# Altium PCB PCB5.PcbDoc (part 8 of 16) (continued)
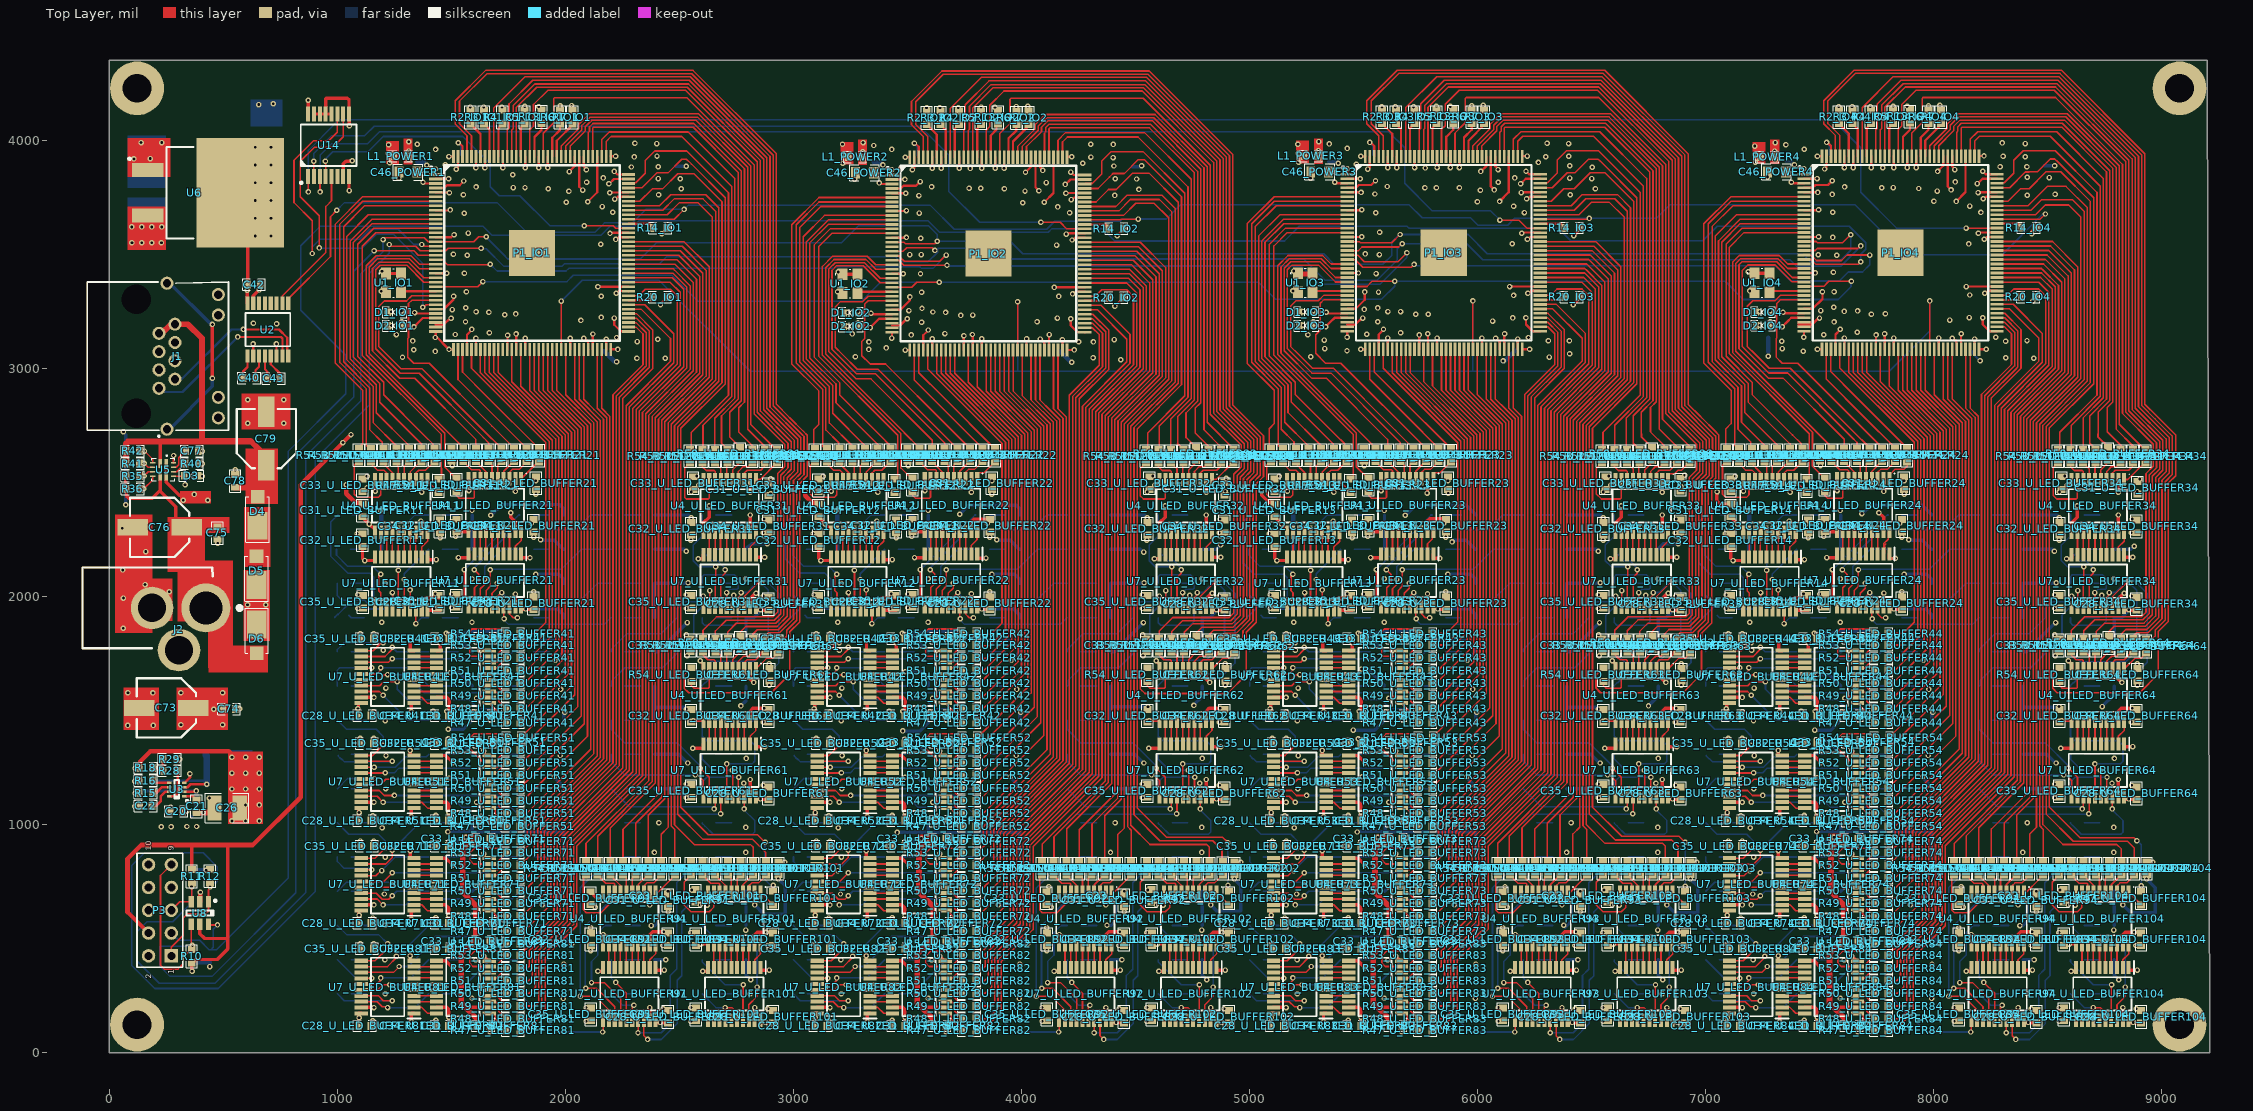
[diagram p0: Top Layer view]
## Nets (pads, with @x,y where several pads share a name; then routed paths per layer and width w, separated by ;. In a path a pad name is that pad's centre, name@x,y a point inside that pad or via, vN(x,y) a via of type N, cw(c..) or ccw(c..) an arc to the next point about the centre after c; other vN are vias at no path point) (continued)
  Top Layer w7: R52_U_LED_BUFFER93.2@6195.3,838.01 6195.3,985.08 6392.46,1182.24 6392.46,2784.57 6586.97,2979.09 6586.97,3405.29 ; P1_IO3.90@6274.85,3497.12 6494.91,3497.12 6586.74,3405.29
GPIO_69_IO4: P1_IO4.90 R52_U_LED_BUFFER94.2 | length 3079.4
  Top Layer w7: R52_U_LED_BUFFER94.2@8198.3,838.16 8198.3,985.23 8395.46,1182.39 8395.46,2784.72 8589.97,2979.24 8589.97,3405.44 ; P1_IO4.90@8277.85,3497.27 8497.91,3497.27 8589.74,3405.44
GPIO_70_IO1: P1_IO1.89 R53_U_LED_BUFFER91.2 | length 3067
  Top Layer w7: R53_U_LED_BUFFER91.2@2141.74,837.16 2141.74,948.48 2380.46,1187.19 2380.46,2789.52 2574.97,2984.04 2574.97,3391.3 2489.7,3476.58 P1_IO1.89@2276.85,3476.58
GPIO_70_IO2: P1_IO2.89 R53_U_LED_BUFFER92.2 | length 3067
  Top Layer w7: R53_U_LED_BUFFER92.2@4142.84,834.56 4142.84,945.88 4381.56,1184.59 4381.56,2786.92 4576.07,2981.44 4576.07,3388.7 4490.8,3473.98 P1_IO2.89@4277.95,3473.98
GPIO_70_IO3: P1_IO3.89 R53_U_LED_BUFFER93.2 | length 3067
  Top Layer w7: R53_U_LED_BUFFER93.2@6139.74,838.01 6139.74,949.33 6378.46,1188.04 6378.46,2790.37 6572.97,2984.89 6572.97,3392.15 6487.7,3477.43 P1_IO3.89@6274.85,3477.43
GPIO_70_IO4: P1_IO4.89 R53_U_LED_BUFFER94.2 | length 3067
  Top Layer w7: R53_U_LED_BUFFER94.2@8142.74,838.16 8142.74,949.48 8381.46,1188.19 8381.46,2790.52 8575.97,2985.04 8575.97,3392.3 8490.7,3477.58 P1_IO4.89@8277.85,3477.58
GPIO_71_IO1: P1_IO1.88 R54_U_LED_BUFFER91.2 | length 3052
  Top Layer w7: R54_U_LED_BUFFER91.2@2090.63,837.16 2090.63,917.16 2366.46,1192.99 2366.46,2795.32 2560.97,2989.84 2560.97,3377.16 2481.24,3456.9 P1_IO1.88@2276.85,3456.9
GPIO_71_IO2: P1_IO2.88 R54_U_LED_BUFFER92.2 | length 3052
  Top Layer w7: R54_U_LED_BUFFER92.2@4091.73,834.56 4091.73,914.56 4367.56,1190.39 4367.56,2792.72 4562.07,2987.24 4562.07,3374.56 4482.34,3454.3 P1_IO2.88@4277.95,3454.3
GPIO_71_IO3: P1_IO3.88 R54_U_LED_BUFFER93.2 | length 3052
  Top Layer w7: R54_U_LED_BUFFER93.2@6088.63,838.01 6088.63,918.01 6364.46,1193.84 6364.46,2796.17 6558.97,2990.69 6558.97,3378.01 6479.24,3457.75 P1_IO3.88@6274.85,3457.75
GPIO_71_IO4: P1_IO4.88 R54_U_LED_BUFFER94.2 | length 3052
  Top Layer w7: R54_U_LED_BUFFER94.2@8091.63,838.16 8091.63,918.16 8367.46,1193.99 8367.46,2796.32 8561.97,2990.84 8561.97,3378.16 8482.24,3457.9 P1_IO4.88@8277.85,3457.9
GPIO_72_IO1: P1_IO1.105 R47_U_LED_BUFFER101.2 | length 3975.8
  Top Layer w7: P1_IO1.105@2276.85,3791.54 2335.01,3791.54 2385.03,3841.56 2385.03,3841.89 2398.21,3855.07 2398.53,3855.07 2400.63,3857.16 2450.63,3857.16 2510.63,3917.16 2530.63,3917.16 2538.59,3909.21 2539.74,3909.21 2552.92,3896.03 2701.05,3747.9 2701.05,2931.81 2506.53,2737.3 2506.53,1075.26 2626.8,955 2842.7,955 v2(2875.7,922) ; R47_U_LED_BUFFER101.2@2910.63,707.16 2907.5,710.3 2907.5,728.8 v2(2911.2,732.5)
  Bottom Layer w7: v2(2875.7,922) 2875.7,757.8 2906.5,727 2911.2,731.7 v2(2911.2,732.5)
GPIO_72_IO2: P1_IO2.105 R47_U_LED_BUFFER102.2 | length 3981.3
  Top Layer w7: P1_IO2.105@4277.95,3788.94 4336.11,3788.94 4386.13,3838.96 4386.13,3839.29 4399.31,3852.47 4399.63,3852.47 4401.73,3854.56 4451.73,3854.56 4511.73,3914.56 4539.74,3914.56 4702.15,3752.15 4702.15,2929.21 4507.63,2734.7 4507.63,1072.66 4637.2,943.1 4883.1,943.1 4898,928.2 v2(4905,919) ; v2(4906,734) 4906,726.8 4898.5,719.3 R47_U_LED_BUFFER102.2@4910.63,707.16
  Bottom Layer w7: v2@4905,738.2 v2(4905,919)
GPIO_72_IO3: P1_IO3.105 R47_U_LED_BUFFER103.2 | length 3983.8
  Top Layer w7: P1_IO3.105@6274.85,3792.39 6327.6,3792.39 6393.22,3858.01 6427.5,3858.01 6487.5,3918.01 6528.63,3918.01 6536.59,3910.06 6537.74,3910.06 6550.92,3896.88 6699.05,3748.75 6699.05,2932.66 6504.53,2738.15 6504.53,1076.11 6632.82,947.82 6883.96,947.82 v2(6910.63,921.15) ; R47_U_LED_BUFFER103.2@6910.63,707.16 v2(6910.63,728.37)
  Bottom Layer w7: v2(6910.63,728.37) v2(6910.63,921.15)
GPIO_72_IO4: P1_IO4.105 R47_U_LED_BUFFER104.2 | length 3975.1
  Top Layer w7: P1_IO4.105@8277.85,3792.54 8333.69,3792.54 8402.51,3861.37 8418.75,3861.37 8418.96,3861.57 8455.04,3861.57 8511.63,3918.16 8531.63,3918.16 8539.59,3910.21 8540.74,3910.21 8553.92,3897.03 8702.05,3748.9 8702.05,2932.81 8507.53,2738.3 8507.53,1076.26 8642.8,941 8880,941 v2(8892,929) ; R47_U_LED_BUFFER104.2@8910.63,707.16 v2(8910.63,730.37)
  Bottom Layer w7: v2(8892,929) 8892.97,929 8910.63,911.34 v2(8910.63,730.37)
GPIO_73_IO1: P1_IO1.102 R48_U_LED_BUFFER101.2 | length 3773.7
  Top Layer w7: P1_IO1.102@2276.85,3732.49 2325.95,3732.49 2380.63,3787.16 2426.35,3787.16 2493.15,3853.97 2513.65,3853.97 2564.23,3853.97 2687.05,3731.15 2687.05,2937.61 2492.53,2743.1 2492.53,1203.08 2492.53,1045.26 2601.74,936.05 2819.35,936.05 2879.52,875.88 R48_U_LED_BUFFER101.2@2879.52,837.16
GPIO_73_IO2: P1_IO2.102 R48_U_LED_BUFFER102.2 | length 3783.5
  Top Layer w7: P1_IO2.102@4277.95,3729.89 4327.05,3729.89 4381.73,3784.56 4416.13,3784.56 4488.25,3856.68 4560.01,3856.68 4688.15,3728.55 4688.15,2935.01 4493.63,2740.5 4493.63,1200.48 4493.63,1042.66 4607.2,929.1 4839.2,929.1 4879.52,888.78 R48_U_LED_BUFFER102.2@4879.52,837.16
GPIO_73_IO3: P1_IO3.102 R48_U_LED_BUFFER103.2 | length 3795.3
  Top Layer w7: P1_IO3.102@6274.85,3733.34 6323.95,3733.34 6378.63,3788.01 6424.35,3788.01 6494.1,3857.77 6559.28,3857.77 6685.05,3732 6685.05,2938.46 6490.53,2743.95 6490.53,1203.93 6490.53,1046.11 6604.65,932 6852.04,932 6879.52,904.52 R48_U_LED_BUFFER103.2@6879.52,837.16
GPIO_73_IO4: P1_IO4.102 R48_U_LED_BUFFER104.2 | length 3792.5
  Top Layer w7: P1_IO4.102@8277.85,3733.49 8326.95,3733.49 8381.63,3788.16 8419.25,3788.16 8493.49,3862.4 8557.79,3862.4 8688.05,3732.15 8688.05,2938.61 8493.53,2744.1 8493.53,1204.08 8493.53,1046.26 8612.8,927 8851,927 8879.52,898.48 R48_U_LED_BUFFER104.2@8879.52,837.16
GPIO_74_IO1: P1_IO1.101 R49_U_LED_BUFFER101.2 | length 3675.2
  Top Layer w7: P1_IO1.101@2276.85,3712.8 2413.22,3712.8 2461.94,3761.52 2615.73,3761.52 2673.05,3704.2 2673.05,2943.41 2478.53,2748.9 2478.53,1203.08 2478.53,999.06 2565.89,911.7 2812.4,911.7 2823.96,900.14 R49_U_LED_BUFFER101.2@2823.96,837.16
GPIO_74_IO2: P1_IO2.101 R49_U_LED_BUFFER102.2 | length 3673.6
  Top Layer w7: P1_IO2.101@4277.95,3710.2 4414.32,3710.2 4463.04,3758.92 4616.83,3758.92 4674.15,3701.6 4674.15,2940.81 4479.63,2746.3 4479.63,1200.48 4479.63,996.46 4564.09,912 4813,912 4823.96,901.04 R49_U_LED_BUFFER102.2@4823.96,837.16
GPIO_74_IO3: P1_IO3.101 R49_U_LED_BUFFER103.2 | length 3681
  Top Layer w7: P1_IO3.101@6274.85,3713.65 6411.22,3713.65 6459.94,3762.37 6613.73,3762.37 6671.05,3705.05 6671.05,2944.26 6476.53,2749.75 6476.53,1203.93 6476.53,999.91 6559.44,917 6812.93,917 6823.96,905.96 R49_U_LED_BUFFER103.2@6823.96,837.16
GPIO_74_IO4: P1_IO4.101 R49_U_LED_BUFFER104.2 | length 3699.2
  Top Layer w7: P1_IO4.101@8277.85,3713.8 8414.22,3713.8 8498.36,3797.94 8581.31,3797.94 8674.05,3705.2 8674.05,2944.41 8479.53,2749.9 8479.53,1204.08 8479.53,1000.06 8567.59,912 8803.93,912 8823.96,891.96 R49_U_LED_BUFFER104.2@8823.96,837.16
IDA0: P1_IO1.112 R24.1 | length 214.5
  Top Layer w10: v1(2098.63,3731.27) 2139.53,3772.17 P1_IO1.112@2139.53,3928.87
IDA1: P1_IO1.123 R23.1 | length 48.9
  Top Layer w10: v1(1923,3879.92) P1_IO1.123@1923,3928.87
IDB0: P1_IO2.112 R30.2 | length 214.5
  Top Layer w10: v1(4099.73,3728.67) 4140.63,3769.57 P1_IO2.112@4140.63,3926.27
IDB1: P1_IO2.123 R25.1 | length 48.9
  Top Layer w10: v1(3924.1,3877.32) P1_IO2.123@3924.1,3926.27
IDC0: P1_IO3.112 R32.1 | length 214.5
  Top Layer w10: v1(6096.63,3732.11) 6137.53,3773.02 P1_IO3.112@6137.53,3929.72
IDC1: P1_IO3.123 R31.2 | length 48.9
  Top Layer w10: v1(5921,3880.77) P1_IO3.123@5921,3929.72
IDD0: P1_IO4.112 R34.2 | length 214.5
  Top Layer w10: v1(8099.63,3732.27) 8140.53,3773.17 P1_IO4.112@8140.53,3929.87
IDD1: P1_IO4.123 R33.2 | length 48.9
  Top Layer w10: v1(7924,3880.92) P1_IO4.123@7924,3929.87
IN4_U_LED_BUFFER101: R50_U_LED_BUFFER101.2
IN4_U_LED_BUFFER102: R50_U_LED_BUFFER102.2
IN4_U_LED_BUFFER103: R50_U_LED_BUFFER103.2
IN4_U_LED_BUFFER104: R50_U_LED_BUFFER104.2
IN5_U_LED_BUFFER101: R51_U_LED_BUFFER101.2
IN5_U_LED_BUFFER102: R51_U_LED_BUFFER102.2
IN5_U_LED_BUFFER103: R51_U_LED_BUFFER103.2
IN5_U_LED_BUFFER104: R51_U_LED_BUFFER104.2
IN6_U_LED_BUFFER101: R52_U_LED_BUFFER101.2
IN6_U_LED_BUFFER102: R52_U_LED_BUFFER102.2
IN6_U_LED_BUFFER103: R52_U_LED_BUFFER103.2
IN6_U_LED_BUFFER104: R52_U_LED_BUFFER104.2
IN7_U_LED_BUFFER101: R53_U_LED_BUFFER101.2
IN7_U_LED_BUFFER102: R53_U_LED_BUFFER102.2
IN7_U_LED_BUFFER103: R53_U_LED_BUFFER103.2
IN7_U_LED_BUFFER104: R53_U_LED_BUFFER104.2
IN8_U_LED_BUFFER101: R54_U_LED_BUFFER101.2
IN8_U_LED_BUFFER102: R54_U_LED_BUFFER102.2
IN8_U_LED_BUFFER103: R54_U_LED_BUFFER103.2
IN8_U_LED_BUFFER104: R54_U_LED_BUFFER104.2
L_OUT1_U_LED_BUFFER11: R9_U_LED_BUFFER11.2 U7_U_LED_BUFFER11.18 | length 127.3
  Top Layer w7: v1(1344.66,1881.19) U7_U_LED_BUFFER11.18@1344.66,1941.81
  Bottom Layer w7: v1(1344.66,1881.19) 1370.63,1907.16 R9_U_LED_BUFFER11.2@1400.63,1907.16
L_OUT1_U_LED_BUFFER12: R9_U_LED_BUFFER12.2 U7_U_LED_BUFFER12.18 | length 127.3
  Top Layer w7: v1(3344.66,1881.19) U7_U_LED_BUFFER12.18@3344.66,1941.81
  Bottom Layer w7: v1(3344.66,1881.19) 3370.63,1907.16 R9_U_LED_BUFFER12.2@3400.63,1907.16
L_OUT1_U_LED_BUFFER13: R9_U_LED_BUFFER13.2 U7_U_LED_BUFFER13.18 | length 127.3
  Top Layer w7: v1(5344.66,1881.19) U7_U_LED_BUFFER13.18@5344.66,1941.81
  Bottom Layer w7: v1(5344.66,1881.19) 5370.63,1907.16 R9_U_LED_BUFFER13.2@5400.63,1907.16
L_OUT1_U_LED_BUFFER14: R9_U_LED_BUFFER14.2 U7_U_LED_BUFFER14.18 | length 127.3
  Top Layer w7: v1(7344.66,1881.19) U7_U_LED_BUFFER14.18@7344.66,1941.81
  Bottom Layer w7: v1(7344.66,1881.19) 7370.63,1907.16 R9_U_LED_BUFFER14.2@7400.63,1907.16
L_OUT1_U_LED_BUFFER21: R9_U_LED_BUFFER21.2 U7_U_LED_BUFFER21.18 | length 73.5
  Top Layer w7: U7_U_LED_BUFFER21.18@1755.2,1954.83 1755.2,1922.59 1771.55,1906.25 v1(1789.73,1906.25)
L_OUT1_U_LED_BUFFER22: R9_U_LED_BUFFER22.2 U7_U_LED_BUFFER22.18 | length 73.5
  Top Layer w7: U7_U_LED_BUFFER22.18@3755.2,1954.83 3755.2,1922.59 3771.55,1906.25 v1(3789.73,1906.25)
L_OUT1_U_LED_BUFFER23: R9_U_LED_BUFFER23.2 U7_U_LED_BUFFER23.18 | length 73.5
  Top Layer w7: U7_U_LED_BUFFER23.18@5755.2,1954.83 5755.2,1922.59 5771.55,1906.25 v1(5789.73,1906.25)
L_OUT1_U_LED_BUFFER24: R9_U_LED_BUFFER24.2 U7_U_LED_BUFFER24.18 | length 73.5
  Top Layer w7: U7_U_LED_BUFFER24.18@7755.2,1954.83 7755.2,1922.59 7771.55,1906.25 v1(7789.73,1906.25)
L_OUT1_U_LED_BUFFER31: R9_U_LED_BUFFER31.2 U7_U_LED_BUFFER31.18 | length 772.5
  Top Layer w7: U7_U_LED_BUFFER31.18@2784.61,1951.5 2784.61,1999.32 2842.45,2057.16 v1(2860.63,2057.16)
  Bottom Layer w7: R9_U_LED_BUFFER31.2@2600.63,1757.16 2600.63,1754.66 2612.13,1743.16 2639.54,1715.76 2825.76,1715.76 2890.63,1780.63 2890.63,1992.27 2890.94,1992.58 2890.94,2011.22 2890.63,2011.52 2890.63,2027.16 v1(2860.63,2057.16)
L_OUT1_U_LED_BUFFER32: R9_U_LED_BUFFER32.2 U7_U_LED_BUFFER32.18 | length 757.3
  Top Layer w7: U7_U_LED_BUFFER32.18@4784.61,1951.5 4784.61,1999.32 4842.45,2057.16 v1(4860.63,2057.16)
  Bottom Layer w7: R9_U_LED_BUFFER32.2@4600.63,1757.16 4600.63,1754.66 4612.13,1743.16 4614.63,1743.16 4637.8,1720 4810,1720 4890.63,1800.63 4890.63,1992.27 4890.94,1992.58 4890.94,2011.22 4890.63,2011.52 4890.63,2027.16 v1(4860.63,2057.16)
L_OUT1_U_LED_BUFFER33: R9_U_LED_BUFFER33.2 U7_U_LED_BUFFER33.18 | length 759.7
  Top Layer w7: U7_U_LED_BUFFER33.18@6784.61,1951.5 6784.61,1999.32 6842.45,2057.16 v1(6860.63,2057.16)
  Bottom Layer w7: R9_U_LED_BUFFER33.2@6600.63,1757.16 6600.63,1754.66 6612.13,1743.16 6614.63,1743.16 6647.8,1710 6790,1710 6890.63,1810.63 6890.63,1992.27 6890.94,1992.58 6890.94,2011.22 6890.63,2011.52 6890.63,2027.16 v1(6860.63,2057.16)
L_OUT1_U_LED_BUFFER34: R9_U_LED_BUFFER34.2 U7_U_LED_BUFFER34.18 | length 786.5
  Top Layer w7: U7_U_LED_BUFFER34.18@8784.61,1951.5 8784.61,1999.32 8842.45,2057.16 v1(8860.63,2057.16)
  Bottom Layer w7: R9_U_LED_BUFFER34.2@8600.63,1757.16 8600.63,1754.66 8612.13,1743.16 8614.63,1743.16 8644.64,1713.16 8843.31,1713.16 8890.63,1760.48 8890.63,1867.16 8890.63,1992.27 8890.94,1992.58 8890.94,2011.22 8890.63,2011.52 8890.63,2027.16 v1(8860.63,2057.16)
L_OUT1_U_LED_BUFFER41: R9_U_LED_BUFFER41.2 U7_U_LED_BUFFER41.18 | length 347.9
  Top Layer w7: U7_U_LED_BUFFER41.18@1104.96,1583.19 1184.61,1583.19 v1(1200.63,1567.16)
  Bottom Layer w7: v1(1200.63,1567.16) 1310.63,1457.16 R9_U_LED_BUFFER41.2@1400.63,1457.16
L_OUT1_U_LED_BUFFER42: R9_U_LED_BUFFER42.2 U7_U_LED_BUFFER42.18 | length 347.9
  Top Layer w7: U7_U_LED_BUFFER42.18@3104.96,1583.19 3184.61,1583.19 v1(3200.63,1567.16)
  Bottom Layer w7: v1(3200.63,1567.16) 3310.63,1457.16 R9_U_LED_BUFFER42.2@3400.63,1457.16
L_OUT1_U_LED_BUFFER43: R9_U_LED_BUFFER43.2 U7_U_LED_BUFFER43.18 | length 347.9
  Top Layer w7: U7_U_LED_BUFFER43.18@5104.96,1583.19 5184.61,1583.19 v1(5200.63,1567.16)
  Bottom Layer w7: v1(5200.63,1567.16) 5310.63,1457.16 R9_U_LED_BUFFER43.2@5400.63,1457.16
L_OUT1_U_LED_BUFFER44: R9_U_LED_BUFFER44.2 U7_U_LED_BUFFER44.18 | length 347.9
  Top Layer w7: U7_U_LED_BUFFER44.18@7104.96,1583.19 7184.61,1583.19 v1(7200.63,1567.16)
  Bottom Layer w7: v1(7200.63,1567.16) 7310.63,1457.16 R9_U_LED_BUFFER44.2@7400.63,1457.16
L_OUT1_U_LED_BUFFER51: R9_U_LED_BUFFER51.2 U7_U_LED_BUFFER51.18 | length 761.3
  Top Layer w7: U7_U_LED_BUFFER51.18@1104.96,1123.19 1174.61,1123.19 v1(1200.63,1097.16)
  Bottom Layer w7: v1(1200.63,1097.16) 1252.45,1097.16 1525.42,1097.16 1547.92,1074.66 1601.31,1074.66 1619.95,1074.66 1763.13,1074.66 1800.63,1037.16 R9_U_LED_BUFFER51.2@1800.63,1007.16
L_OUT1_U_LED_BUFFER52: R9_U_LED_BUFFER52.2 U7_U_LED_BUFFER52.18 | length 761.3
  Top Layer w7: U7_U_LED_BUFFER52.18@3104.96,1123.19 3174.61,1123.19 v1(3200.63,1097.16)
  Bottom Layer w7: v1(3200.63,1097.16) 3252.45,1097.16 3525.42,1097.16 3547.92,1074.66 3601.31,1074.66 3619.95,1074.66 3763.13,1074.66 3800.63,1037.16 R9_U_LED_BUFFER52.2@3800.63,1007.16
L_OUT1_U_LED_BUFFER53: R9_U_LED_BUFFER53.2 U7_U_LED_BUFFER53.18 | length 761.3
  Top Layer w7: U7_U_LED_BUFFER53.18@5104.96,1123.19 5174.61,1123.19 v1(5200.63,1097.16)
  Bottom Layer w7: v1(5200.63,1097.16) 5252.45,1097.16 5525.42,1097.16 5547.92,1074.66 5601.31,1074.66 5619.95,1074.66 5763.13,1074.66 5800.63,1037.16 R9_U_LED_BUFFER53.2@5800.63,1007.16
L_OUT1_U_LED_BUFFER54: R9_U_LED_BUFFER54.2 U7_U_LED_BUFFER54.18 | length 761.3
  Top Layer w7: U7_U_LED_BUFFER54.18@7104.96,1123.19 7174.61,1123.19 v1(7200.63,1097.16)
  Bottom Layer w7: v1(7200.63,1097.16) 7252.45,1097.16 7525.42,1097.16 7547.92,1074.66 7601.31,1074.66 7619.95,1074.66 7763.13,1074.66 7800.63,1037.16 R9_U_LED_BUFFER54.2@7800.63,1007.16
L_OUT1_U_LED_BUFFER61: R9_U_LED_BUFFER61.2 U7_U_LED_BUFFER61.18 | length 430.3
  Top Layer w7: v1(2783.87,1068.34) 2784.24,1068.71 2784.24,1121.12 U7_U_LED_BUFFER61.18@2784.61,1121.5
  Bottom Layer w7: R9_U_LED_BUFFER61.2@2600.63,1007.16 2600.63,1004.66 2612.13,993.16 2648.13,957.16 2820.63,957.16 2830.63,967.16 2830.63,1017.16 2783.87,1063.93 v1(2783.87,1068.34)
L_OUT1_U_LED_BUFFER62: R9_U_LED_BUFFER62.2 U7_U_LED_BUFFER62.18 | length 430.3
  Top Layer w7: v1(4783.87,1068.34) 4784.24,1068.71 4784.24,1121.12 U7_U_LED_BUFFER62.18@4784.61,1121.5
  Bottom Layer w7: R9_U_LED_BUFFER62.2@4600.63,1007.16 4600.63,1004.66 4612.13,993.16 4648.13,957.16 4820.63,957.16 4830.63,967.16 4830.63,1017.16 4783.87,1063.93 v1(4783.87,1068.34)
L_OUT1_U_LED_BUFFER63: R9_U_LED_BUFFER63.2 U7_U_LED_BUFFER63.18 | length 430.3
  Top Layer w7: v1(6783.87,1068.34) 6784.24,1068.71 6784.24,1121.12 U7_U_LED_BUFFER63.18@6784.61,1121.5
  Bottom Layer w7: R9_U_LED_BUFFER63.2@6600.63,1007.16 6600.63,1004.66 6612.13,993.16 6648.13,957.16 6820.63,957.16 6830.63,967.16 6830.63,1017.16 6783.87,1063.93 v1(6783.87,1068.34)
L_OUT1_U_LED_BUFFER64: R9_U_LED_BUFFER64.2 U7_U_LED_BUFFER64.18 | length 430.3
  Top Layer w7: v1(8783.87,1068.34) 8784.24,1068.71 8784.24,1121.12 U7_U_LED_BUFFER64.18@8784.61,1121.5
  Bottom Layer w7: R9_U_LED_BUFFER64.2@8600.63,1007.16 8600.63,1004.66 8612.13,993.16 8648.13,957.16 8820.63,957.16 8830.63,967.16 8830.63,1017.16 8783.87,1063.93 v1(8783.87,1068.34)
L_OUT1_U_LED_BUFFER71: R9_U_LED_BUFFER71.2 U7_U_LED_BUFFER71.18 | length 731.3
  Top Layer w7: U7_U_LED_BUFFER71.18@1104.96,673.19 1174.61,673.19 v1(1200.63,647.16)
  Bottom Layer w7: v1(1200.63,647.16) 1300.63,647.16 1326.57,673.11 1766.57,673.11 R9_U_LED_BUFFER71.2@1800.63,707.16
L_OUT1_U_LED_BUFFER72: R9_U_LED_BUFFER72.2 U7_U_LED_BUFFER72.18 | length 731.3
  Top Layer w7: U7_U_LED_BUFFER72.18@3104.96,673.19 3174.61,673.19 v1(3200.63,647.16)
  Bottom Layer w7: v1(3200.63,647.16) 3300.63,647.16 3326.57,673.11 3766.57,673.11 R9_U_LED_BUFFER72.2@3800.63,707.16
L_OUT1_U_LED_BUFFER73: R9_U_LED_BUFFER73.2 U7_U_LED_BUFFER73.18 | length 731.3
  Top Layer w7: U7_U_LED_BUFFER73.18@5104.96,673.19 5174.61,673.19 v1(5200.63,647.16)
  Bottom Layer w7: v1(5200.63,647.16) 5300.63,647.16 5326.57,673.11 5766.57,673.11 R9_U_LED_BUFFER73.2@5800.63,707.16
L_OUT1_U_LED_BUFFER74: R9_U_LED_BUFFER74.2 U7_U_LED_BUFFER74.18 | length 731.3
  Top Layer w7: U7_U_LED_BUFFER74.18@7104.96,673.19 7174.61,673.19 v1(7200.63,647.16)
  Bottom Layer w7: v1(7200.63,647.16) 7300.63,647.16 7326.57,673.11 7766.57,673.11 R9_U_LED_BUFFER74.2@7800.63,707.16
L_OUT1_U_LED_BUFFER81: R9_U_LED_BUFFER81.2 U7_U_LED_BUFFER81.18 | length 331.3
  Top Layer w7: U7_U_LED_BUFFER81.18@1104.96,223.19 1174.61,223.19 1197.38,200.42 1217.38,200.42 v1(1220.63,197.16)
  Bottom Layer w7: v1(1220.63,197.16) 1340.63,197.16 R9_U_LED_BUFFER81.2@1400.63,257.16
L_OUT1_U_LED_BUFFER82: R9_U_LED_BUFFER82.2 U7_U_LED_BUFFER82.18 | length 331.3
  Top Layer w7: U7_U_LED_BUFFER82.18@3104.96,223.19 3174.61,223.19 3197.38,200.42 3217.38,200.42 v1(3220.63,197.16)
  Bottom Layer w7: v1(3220.63,197.16) 3340.63,197.16 R9_U_LED_BUFFER82.2@3400.63,257.16
L_OUT1_U_LED_BUFFER83: R9_U_LED_BUFFER83.2 U7_U_LED_BUFFER83.18 | length 331.3
  Top Layer w7: U7_U_LED_BUFFER83.18@5104.96,223.19 5174.61,223.19 5197.38,200.42 5217.38,200.42 v1(5220.63,197.16)
  Bottom Layer w7: v1(5220.63,197.16) 5340.63,197.16 R9_U_LED_BUFFER83.2@5400.63,257.16
L_OUT1_U_LED_BUFFER84: R9_U_LED_BUFFER84.2 U7_U_LED_BUFFER84.18 | length 331.3
  Top Layer w7: U7_U_LED_BUFFER84.18@7104.96,223.19 7174.61,223.19 7197.38,200.42 7217.38,200.42 v1(7220.63,197.16)
  Bottom Layer w7: v1(7220.63,197.16) 7340.63,197.16 R9_U_LED_BUFFER84.2@7400.63,257.16
L_OUT1_U_LED_BUFFER91: R9_U_LED_BUFFER91.2 U7_U_LED_BUFFER91.18 | length 875.5
  Top Layer w7: U7_U_LED_BUFFER91.18@2344.61,141.5 2344.61,73.19 v1(2360.63,57.16)
  Bottom Layer w7: v1(2360.63,57.16) 2420.63,57.16 2490.63,127.16 2490.63,317.16 2510.63,337.16 2510.63,617.16 R9_U_LED_BUFFER91.2@2600.63,707.16
L_OUT1_U_LED_BUFFER92: R9_U_LED_BUFFER92.2 U7_U_LED_BUFFER92.18 | length 875.5
  Top Layer w7: U7_U_LED_BUFFER92.18@4344.61,141.5 4344.61,73.19 v1(4360.63,57.16)
  Bottom Layer w7: v1(4360.63,57.16) 4420.63,57.16 4490.63,127.16 4490.63,317.16 4510.63,337.16 4510.63,617.16 R9_U_LED_BUFFER92.2@4600.63,707.16
L_OUT1_U_LED_BUFFER93: R9_U_LED_BUFFER93.2 U7_U_LED_BUFFER93.18 | length 875.5
  Top Layer w7: U7_U_LED_BUFFER93.18@6344.61,141.5 6344.61,73.19 v1(6360.63,57.16)
  Bottom Layer w7: v1(6360.63,57.16) 6420.63,57.16 6490.63,127.16 6490.63,317.16 6510.63,337.16 6510.63,617.16 R9_U_LED_BUFFER93.2@6600.63,707.16
L_OUT1_U_LED_BUFFER94: R9_U_LED_BUFFER94.2 U7_U_LED_BUFFER94.18 | length 875.5
  Top Layer w7: U7_U_LED_BUFFER94.18@8344.61,141.5 8344.61,73.19 v1(8360.63,57.16)
  Bottom Layer w7: v1(8360.63,57.16) 8420.63,57.16 8490.63,127.16 8490.63,317.16 8510.63,337.16 8510.63,617.16 R9_U_LED_BUFFER94.2@8600.63,707.16
L_OUT1_U_LED_BUFFER101: R9_U_LED_BUFFER101.2 U7_U_LED_BUFFER101.18 | length 606.2
  Top Layer w7: U7_U_LED_BUFFER101.18@2804.61,141.5 2804.61,209.53 2840.63,245.55 v1(2840.63,287.16)
  Bottom Layer w7: R9_U_LED_BUFFER101.2@2600.63,557.16 2670.63,487.16 2800.63,487.16 2840.63,447.16 v1(2840.63,287.16)
L_OUT1_U_LED_BUFFER102: R9_U_LED_BUFFER102.2 U7_U_LED_BUFFER102.18 | length 606.2
  Top Layer w7: U7_U_LED_BUFFER102.18@4804.61,141.5 4804.61,209.53 4840.63,245.55 v1(4840.63,287.16)
  Bottom Layer w7: R9_U_LED_BUFFER102.2@4600.63,557.16 4670.63,487.16 4800.63,487.16 4840.63,447.16 v1(4840.63,287.16)
L_OUT1_U_LED_BUFFER103: R9_U_LED_BUFFER103.2 U7_U_LED_BUFFER103.18 | length 606.2
  Top Layer w7: U7_U_LED_BUFFER103.18@6804.61,141.5 6804.61,209.53 6840.63,245.55 v1(6840.63,287.16)
  Bottom Layer w7: R9_U_LED_BUFFER103.2@6600.63,557.16 6670.63,487.16 6800.63,487.16 6840.63,447.16 v1(6840.63,287.16)
L_OUT1_U_LED_BUFFER104: R9_U_LED_BUFFER104.2 U7_U_LED_BUFFER104.18 | length 606.2
  Top Layer w7: U7_U_LED_BUFFER104.18@8804.61,141.5 8804.61,209.53 8840.63,245.55 v1(8840.63,287.16)
  Bottom Layer w7: R9_U_LED_BUFFER104.2@8600.63,557.16 8670.63,487.16 8800.63,487.16 8840.63,447.16 v1(8840.63,287.16)
L_OUT2_U_LED_BUFFER11: R17_U_LED_BUFFER11.2 U7_U_LED_BUFFER11.17 | length 180.3
  Top Layer w7: U7_U_LED_BUFFER11.17@1319.07,1941.81 v1(1319.07,2028.73)
  Bottom Layer w7: v1(1319.07,2028.73) 1347.51,2057.16 R17_U_LED_BUFFER11.2@1400.63,2057.16
L_OUT2_U_LED_BUFFER12: R17_U_LED_BUFFER12.2 U7_U_LED_BUFFER12.17 | length 180.3
  Top Layer w7: U7_U_LED_BUFFER12.17@3319.07,1941.81 v1(3319.07,2028.73)
  Bottom Layer w7: v1(3319.07,2028.73) 3347.51,2057.16 R17_U_LED_BUFFER12.2@3400.63,2057.16
L_OUT2_U_LED_BUFFER13: R17_U_LED_BUFFER13.2 U7_U_LED_BUFFER13.17 | length 180.3
  Top Layer w7: U7_U_LED_BUFFER13.17@5319.07,1941.81 v1(5319.07,2028.73)
  Bottom Layer w7: v1(5319.07,2028.73) 5347.51,2057.16 R17_U_LED_BUFFER13.2@5400.63,2057.16
L_OUT2_U_LED_BUFFER14: R17_U_LED_BUFFER14.2 U7_U_LED_BUFFER14.17 | length 180.3
  Top Layer w7: U7_U_LED_BUFFER14.17@7319.07,1941.81 v1(7319.07,2028.73)
  Bottom Layer w7: v1(7319.07,2028.73) 7347.51,2057.16 R17_U_LED_BUFFER14.2@7400.63,2057.16
L_OUT2_U_LED_BUFFER21: R17_U_LED_BUFFER21.2 U7_U_LED_BUFFER21.17 | length 548.8
  Top Layer w7: U7_U_LED_BUFFER21.17@1729.61,1954.83 1729.61,1903.33 v1(1731.3,1901.64)
  Bottom Layer w7: v1(1731.3,1901.64) 1731.3,1896.49 1750.63,1877.16 2170.63,1877.16 R17_U_LED_BUFFER21.2@2200.63,1907.16
L_OUT2_U_LED_BUFFER22: R17_U_LED_BUFFER22.2 U7_U_LED_BUFFER22.17 | length 548.8
  Top Layer w7: U7_U_LED_BUFFER22.17@3729.61,1954.83 3729.61,1903.33 v1(3731.3,1901.64)
  Bottom Layer w7: v1(3731.3,1901.64) 3731.3,1896.49 3750.63,1877.16 4170.63,1877.16 R17_U_LED_BUFFER22.2@4200.63,1907.16
L_OUT2_U_LED_BUFFER23: R17_U_LED_BUFFER23.2 U7_U_LED_BUFFER23.17 | length 548.8
  Top Layer w7: U7_U_LED_BUFFER23.17@5729.61,1954.83 5729.61,1903.33 v1(5731.3,1901.64)
  Bottom Layer w7: v1(5731.3,1901.64) 5731.3,1896.49 5750.63,1877.16 6170.63,1877.16 R17_U_LED_BUFFER23.2@6200.63,1907.16
L_OUT2_U_LED_BUFFER24: R17_U_LED_BUFFER24.2 U7_U_LED_BUFFER24.17 | length 548.8
  Top Layer w7: U7_U_LED_BUFFER24.17@7729.61,1954.83 7729.61,1903.33 v1(7731.3,1901.64)
  Bottom Layer w7: v1(7731.3,1901.64) 7731.3,1896.49 7750.63,1877.16 8170.63,1877.16 R17_U_LED_BUFFER24.2@8200.63,1907.16
L_OUT2_U_LED_BUFFER31: R17_U_LED_BUFFER31.2 U7_U_LED_BUFFER31.17 | length 978.4
  Top Layer w7: U7_U_LED_BUFFER31.17@2759.02,1951.5 2759.02,1995.55 2770.63,2007.16 v1(2770.63,2017.16)
  Bottom Layer w7: R17_U_LED_BUFFER31.2@2600.63,1607.16 2600.63,1609.66 2612.13,1621.16 2614.63,1621.16 2653.47,1660 2888.16,1660 2936.56,1708.4 2936.56,2013.06 2869.95,2079.66 2851.31,2079.66 2830.78,2059.14 2830.78,2051.44 2796.5,2017.16 v1(2770.63,2017.16)
L_OUT2_U_LED_BUFFER32: R17_U_LED_BUFFER32.2 U7_U_LED_BUFFER32.17 | length 978.8
  Top Layer w7: U7_U_LED_BUFFER32.17@4759.02,1951.5 4759.02,1995.55 4770.63,2007.16 v1(4770.63,2017.16)
  Bottom Layer w7: R17_U_LED_BUFFER32.2@4600.63,1607.16 4600.63,1609.66 4650.97,1660 4888.92,1660 4936.56,1707.64 4936.56,2013.06 4869.95,2079.66 4851.31,2079.66 4830.78,2059.14 4830.78,2051.44 4796.5,2017.16 v1(4770.63,2017.16)
L_OUT2_U_LED_BUFFER33: R17_U_LED_BUFFER33.2 U7_U_LED_BUFFER33.17 | length 977.6
  Top Layer w7: U7_U_LED_BUFFER33.17@6759.02,1951.5 6759.02,1995.55 6770.63,2007.16 v1(6770.63,2017.16)
  Bottom Layer w7: R17_U_LED_BUFFER33.2@6600.63,1607.16 6600.63,1609.66 6612.13,1621.16 6614.63,1621.16 6653.47,1660 6886.87,1660 6936.56,1709.69 6936.56,2013.06 6869.95,2079.66 6851.31,2079.66 6830.78,2059.14 6830.78,2051.44 6796.5,2017.16 v1(6770.63,2017.16)
L_OUT2_U_LED_BUFFER34: R17_U_LED_BUFFER34.2 U7_U_LED_BUFFER34.17 | length 976.7
  Top Layer w7: U7_U_LED_BUFFER34.17@8759.02,1951.5 8759.02,1995.55 8770.63,2007.16 v1(8770.63,2017.16)
  Bottom Layer w7: R17_U_LED_BUFFER34.2@8600.63,1607.16 8600.63,1609.66 8612.13,1621.16 8614.63,1621.16 8653.47,1660 8885.3,1660 8936.56,1711.26 8936.56,2013.06 8869.95,2079.66 8851.31,2079.66 8830.78,2059.14 8830.78,2051.44 8796.5,2017.16 v1(8770.63,2017.16)
L_OUT2_U_LED_BUFFER41: R17_U_LED_BUFFER41.2 U7_U_LED_BUFFER41.17 | length 792.6
  Top Layer w7: U7_U_LED_BUFFER41.17@1104.96,1608.78 1185.74,1608.78 1202.71,1625.75 v1(1262.97,1625.75)
  Bottom Layer w7: v1(1262.97,1625.75) 1262.97,1592.61 1308.42,1547.16 1579.12,1547.16 1619.12,1507.16 1748.42,1507.16 R17_U_LED_BUFFER41.2@1800.44,1455.14
L_OUT2_U_LED_BUFFER42: R17_U_LED_BUFFER42.2 U7_U_LED_BUFFER42.17 | length 792.6
  Top Layer w7: U7_U_LED_BUFFER42.17@3104.96,1608.78 3185.74,1608.78 3202.71,1625.75 v1(3262.97,1625.75)
  Bottom Layer w7: v1(3262.97,1625.75) 3262.97,1592.61 3308.42,1547.16 3579.12,1547.16 3619.12,1507.16 3748.42,1507.16 R17_U_LED_BUFFER42.2@3800.44,1455.14
L_OUT2_U_LED_BUFFER43: R17_U_LED_BUFFER43.2 U7_U_LED_BUFFER43.17 | length 792.6
  Top Layer w7: U7_U_LED_BUFFER43.17@5104.96,1608.78 5185.74,1608.78 5202.71,1625.75 v1(5262.97,1625.75)
  Bottom Layer w7: v1(5262.97,1625.75) 5262.97,1592.61 5308.42,1547.16 5579.12,1547.16 5619.12,1507.16 5748.42,1507.16 R17_U_LED_BUFFER43.2@5800.44,1455.14
L_OUT2_U_LED_BUFFER44: R17_U_LED_BUFFER44.2 U7_U_LED_BUFFER44.17 | length 792.6
  Top Layer w7: U7_U_LED_BUFFER44.17@7104.96,1608.78 7185.74,1608.78 7202.71,1625.75 v1(7262.97,1625.75)
  Bottom Layer w7: v1(7262.97,1625.75) 7262.97,1592.61 7308.42,1547.16 7579.12,1547.16 7619.12,1507.16 7748.42,1507.16 R17_U_LED_BUFFER44.2@7800.44,1455.14
L_OUT2_U_LED_BUFFER51: R17_U_LED_BUFFER51.2 U7_U_LED_BUFFER51.17 | length 717
  Top Layer w7: U7_U_LED_BUFFER51.17@1104.96,1148.78 1184.37,1148.78 1205.98,1127.16 1248.03,1127.16 v1(1250.63,1127.16)
  Bottom Layer w7: v1(1250.63,1127.16) 1730.63,1127.16 1760.63,1157.16 R17_U_LED_BUFFER51.2@1800.63,1157.16
L_OUT2_U_LED_BUFFER52: R17_U_LED_BUFFER52.2 U7_U_LED_BUFFER52.17 | length 717
  Top Layer w7: U7_U_LED_BUFFER52.17@3104.96,1148.78 3184.37,1148.78 3205.98,1127.16 3248.03,1127.16 v1(3250.63,1127.16)
  Bottom Layer w7: v1(3250.63,1127.16) 3730.63,1127.16 3760.63,1157.16 R17_U_LED_BUFFER52.2@3800.63,1157.16
L_OUT2_U_LED_BUFFER53: R17_U_LED_BUFFER53.2 U7_U_LED_BUFFER53.17 | length 717
  Top Layer w7: U7_U_LED_BUFFER53.17@5104.96,1148.78 5184.37,1148.78 5205.98,1127.16 5248.03,1127.16 v1(5250.63,1127.16)
  Bottom Layer w7: v1(5250.63,1127.16) 5730.63,1127.16 5760.63,1157.16 R17_U_LED_BUFFER53.2@5800.63,1157.16
L_OUT2_U_LED_BUFFER54: R17_U_LED_BUFFER54.2 U7_U_LED_BUFFER54.17 | length 717
  Top Layer w7: U7_U_LED_BUFFER54.17@7104.96,1148.78 7184.37,1148.78 7205.98,1127.16 7248.03,1127.16 v1(7250.63,1127.16)
  Bottom Layer w7: v1(7250.63,1127.16) 7730.63,1127.16 7760.63,1157.16 R17_U_LED_BUFFER54.2@7800.63,1157.16